# Altium PCB Virtex.PcbDoc (part 1 of 2)
Units mil, origin at the board's own origin, x right, y up, seen from the top; angles counter-clockwise.
Board outline 4513.94 x 3376.83 mil, 6 copper layers (Top Layer, Int1, Int2 (Flex), Int3 (Flex), Int4, Bottom Layer), stack 61.781 mil thick; 353 components, 187 nets, 1155 pads, 19 vias.
Unrouted connection lines stored in the file: 819.
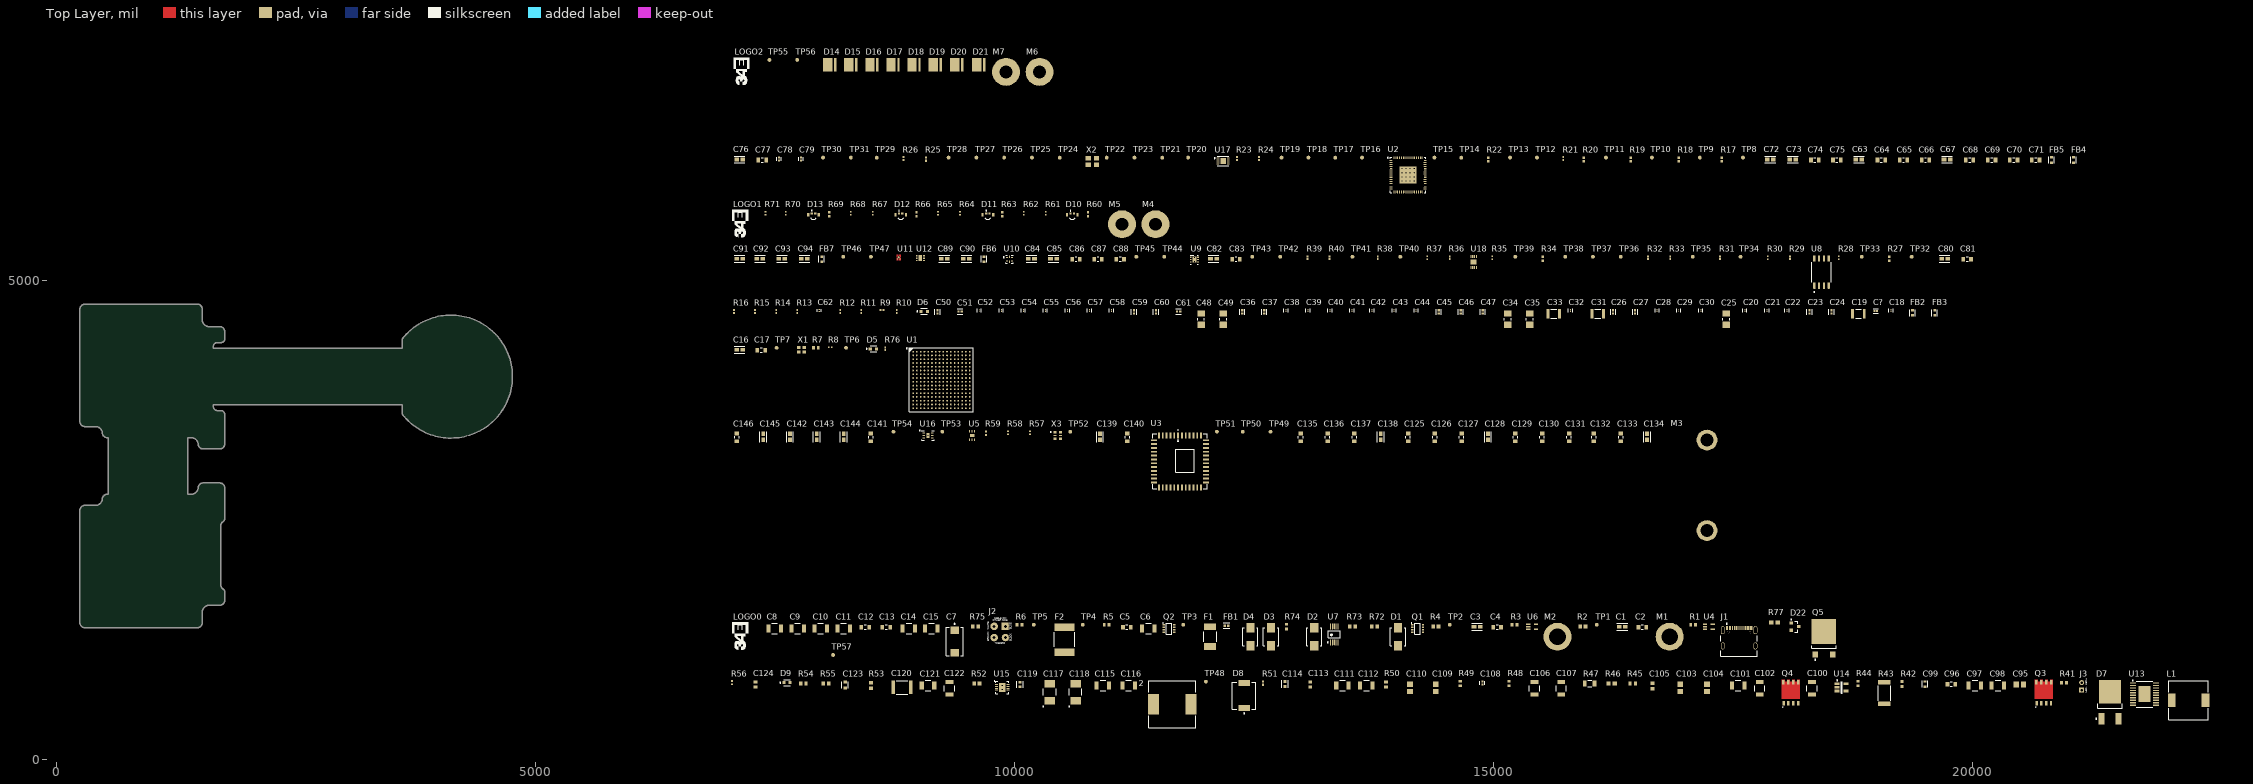
[diagram p0: Top Layer view]
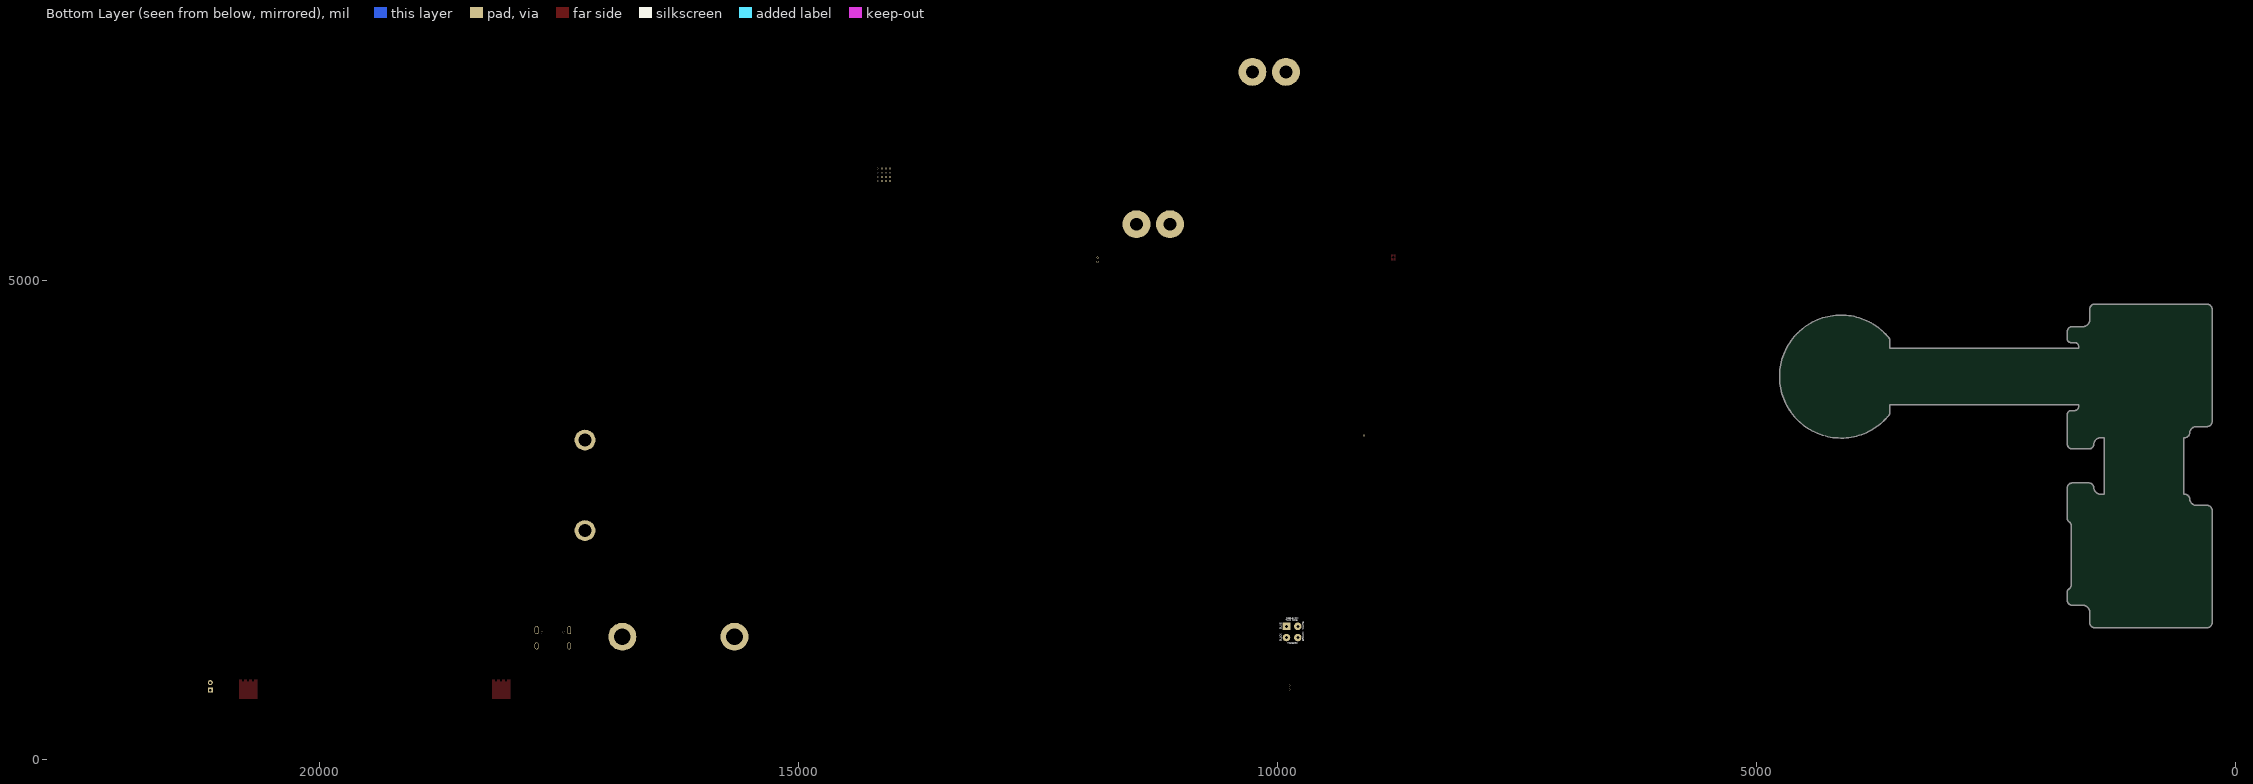
[diagram p1: Bottom Layer view, seen from below]

## Layer stack, top to bottom
Top Solder: solder mask 0.7874, SM-001, Dk 4
Top Layer: signal copper 1.378
FR-4 Top: core 23.622, PP-006, Dk 4.29
Int1: signal copper 1.378
Prepreg Top: prepreg 2.8, PP-006, Dk 4.29
Int2 (Flex): signal copper 0.7087
Adhesive Top: prepreg 0.5118, PP-006, Dk 3.3
Polymide Core: core 0.9843, Core-009, Dk 3.3
Adhesive Bottom: prepreg 0.5118, PP-006, Dk 3.3
Int3 (Flex): signal copper 0.7087
Prepreg Bottom: prepreg 2.8, PP-006, Dk 4.29
Int4: signal copper 1.378
FR-4 Bottom: core 23.622, PP-006, Dk 4.29
Bottom Layer: signal copper 1.378
Bottom Solder: solder mask 0.7874, SM-001, Dk 4

## Board outline
3606.02,3704.72 3606.02,3624.93 ccw(c3645.39,3624.93) 3614.58,3600.41 ccw(c4116.73,4000) 3614.58,4399.59 ccw(c3645.4,4375.07) 3606.02,4375.07 3606.02,4295.28 1637.52,4295.28 1637.52,4314.96 cw(c1676.88,4314.96) 1676.88,4354.33 1716.25,4354.33 ccw(c1716.26,4393.7) 1755.63,4393.7 1755.63,4468.75 ccw(c1703.12,4468.75) 1703.13,4521.25 1593.75,4521.25 cw(c1593.75,4593.75) 1521.25,4593.75 1521.25,4703.12 ccw(c1468.75,4703.12) 1468.75,4755.63 296.87,4755.63 ccw(c296.87,4703.12) 244.37,4703.12 244.37,3531.25 ccw(c296.87,3531.25) 296.88,3478.75 406.25,3478.75 cw(c406.25,3406.25) 478.57,3411.32 ccw(c530.94,3414.99) 530.94,3362.48 541.25,3362.48 541.25,2771.94 530.94,2771.93 ccw(c530.94,2719.43) 478.57,2723.1 cw(c406.25,2728.17) 406.25,2655.67 296.88,2655.67 ccw(c296.87,2603.17) 244.37,2603.17 244.37,1431.29 ccw(c296.87,1431.29) 296.88,1378.79 1468.75,1378.79 ccw(c1468.75,1431.29) 1521.25,1431.29 1521.25,1540.67 cw(c1593.75,1540.67) 1593.75,1613.17 1703.12,1613.17 ccw(c1703.13,1665.67) 1755.63,1665.67 1755.63,1751.27 ccw(c1716.26,1751.27) 1735.94,1785.36 cw(c1755.63,1819.46) 1716.26,1819.46 1716.26,2449.38 cw(c1755.62,2449.38) 1735.94,2483.47 ccw(c1716.26,2517.57) 1755.63,2517.57 1755.63,2837.54 ccw(c1703.12,2837.54) 1703.13,2890.05 1531.06,2890.05 ccw(c1531.06,2837.54) 1478.64,2840.44 cw(c1406.25,2844.43) 1406.25,2771.94 1368.02,2771.94 1368.02,3362.48 1406.25,3362.48 cw(c1406.25,3289.99) 1478.64,3293.98 ccw(c1531.06,3296.87) 1531.06,3244.37 1703.12,3244.37 ccw(c1703.13,3296.87) 1755.63,3296.87 1755.63,3606.3 ccw(c1716.25,3606.3) 1716.26,3645.67 1676.88,3645.67 cw(c1676.88,3685.04) 1637.52,3685.04 1637.52,3704.72
board region "Default Layer Stack Region": 366 vertices, not listed, extent 244.38,1378.79 4758.46,4755.62
board region "Layer Stack Region 2": 3762.4,4000 3762.4,3982.59 3765.81,3947.95 3772.6,3913.8 3782.71,3880.49 3796.03,3848.32 3812.44,3817.62 3831.78,3788.67 3853.87,3761.76 3878.49,3737.14 3905.4,3715.06 3934.35,3695.71 3965.05,3679.3 3997.21,3665.98 4030.53,3655.87 4064.68,3649.08 4099.32,3645.67 4116.73,3645.67 4134.14,3645.67 4168.78,3649.08 4202.93,3655.87 4236.24,3665.98 4268.41,3679.3 4299.11,3695.71 4328.06,3715.06 4354.97,3737.14 4379.59,3761.76 4401.67,3788.67 4421.02,3817.62 4437.43,3848.32 4450.75,3880.49 4460.86,3913.8 4467.65,3947.95 4471.06,3982.59 4471.06,4000 4471.06,4017.41 4467.65,4052.05 4460.86,4086.2 4450.75,4119.51 4437.43,4151.68 4421.02,4182.38 4401.67,4211.33 4379.59,4238.24 4354.97,4262.86 4328.06,4284.94 4299.11,4304.29 4268.41,4320.7 4236.24,4334.02 4202.93,4344.13 4168.78,4350.92 4134.14,4354.33 4116.73,4354.33 4099.32,4354.33 4064.68,4350.92 4030.53,4344.13 3997.21,4334.02 3965.05,4320.7 3934.35,4304.29 3905.4,4284.94 3878.49,4262.86 3853.87,4238.24 3831.78,4211.33 3812.44,4182.38 3796.03,4151.68 3782.71,4119.51 3772.6,4086.2 3765.81,4052.05 3762.4,4017.41

## Design rules (kind name [scope] priority, off if disabled: settings)
Clearance [All] p1: gap=10 ignorepadtopadclearanceinfootprint=FALSE except(0: Arc-Hole Track-Hole SMDPad-Hole THPad-Hole Via-Hole Fill-Hole Poly-Hole Region-Hole Text-Hole)
DiffPairsRouting [All] p1: maxlimit=10 minlimit=10 mostfreqgap=10 toplayer_minwidth=15 toplayer_maxwidth=15 toplayer_prefwidth=15 midlayer1_minwidth=15 midlayer1_maxwidth=15 midlayer1_prefwidth=15 midlayer2_minwidth=15 midlayer2_maxwidth=15 midlayer2_prefwidth=15 midlayer3_minwidth=15 midlayer3_maxwidth=15 midlayer3_prefwidth=15 midlayer4_minwidth=15 midlayer4_maxwidth=15 midlayer4_prefwidth=15 bottomlayer_minwidth=15 bottomlayer_maxwidth=15 bottomlayer_prefwidth=15 maxuncoupledlength=500
PolygonConnect [All] p1: connectstyle=Relief reliefconductorwidth=10 reliefentries=4 polygonreliefangle="90 Angle" airgapwidth=10
RoomDefinition BoardC [InComponentClass('BoardC')] p1: confinementstyle=ConfineIn formatcopy=TRUE lockcomponents=FALSE outline 7035,7025 10390,7025 10390,7435 7035,7435
RoomDefinition BoardB-USB [InComponentClass('BoardB-USB')] p2: confinementstyle=ConfineIn formatcopy=TRUE lockcomponents=FALSE outline 7045,5895 21205,5895 21205,6415 7045,6415
RoomDefinition BoardB-LEDs [InComponentClass('BoardB-LEDs')] p3: confinementstyle=ConfineIn formatcopy=TRUE lockcomponents=FALSE outline 7045,5435 11625,5435 11625,5845 7045,5845
RoomDefinition BoardB-FPGA [InComponentClass('BoardB-FPGA')] p4: confinementstyle=ConfineIn formatcopy=TRUE lockcomponents=FALSE outline 7045,3600 9600,3600 9600,4430 7045,4430
RoomDefinition BoardB-FPGA3 [InComponentClass('BoardB-FPGA3')] p5: confinementstyle=ConfineIn formatcopy=TRUE lockcomponents=FALSE outline 7045,4870 20030,4870 20030,5380 7045,5380
RoomDefinition BoardB-FPGA2 [InComponentClass('BoardB-FPGA2')] p6: confinementstyle=ConfineIn formatcopy=TRUE lockcomponents=FALSE outline 7045,4480 19755,4480 19755,4820 7045,4820
RoomDefinition BoardB-Camera [InComponentClass('BoardB-Camera')] p7: confinementstyle=ConfineIn formatcopy=TRUE lockcomponents=FALSE outline 7045,2275 17630,2275 17630,3555 7045,3555
RoomDefinition BoardA-Power [InComponentClass('BoardA-Power')] p8: confinementstyle=ConfineIn formatcopy=TRUE lockcomponents=FALSE outline 7025,316.22 22495,316.22 22495,946.22 7025,946.22
RoomDefinition BoardA-Connectors [InComponentClass('BoardA-Connectors')] p9: confinementstyle=ConfineIn formatcopy=TRUE lockcomponents=FALSE outline 7045,1020 18730,1020 18730,1605 7045,1605
RoutingVias [All] p1: holewidth=28 width=50 viastyle="Through Hole" minholewidth=28 minwidth=50 maxholewidth=28 maxwidth=50
SignalStimulus "Schematic Signal Stimulus_5" [InDifferentialPairClass('CAM_CLK_OUT')] p1: kind=1 level=1 starttime=0.000 stoptime=1.389n periodtime=2.778n
SignalStimulus "Schematic Signal Stimulus_4" [InDifferentialPairClass('CAM_DOUT1')] p2: kind=1 level=1 starttime=0.000 stoptime=1.389n periodtime=2.778n
SignalStimulus "Schematic Signal Stimulus_3" [InDifferentialPairClass('CAM_DOUT0')] p3: kind=1 level=1 starttime=0.000 stoptime=1.389n periodtime=2.778n
SignalStimulus "Schematic Signal Stimulus_2" [InDifferentialPairClass('CAM_DOUT3')] p4: kind=1 level=1 starttime=0.000 stoptime=1.389n periodtime=2.778n
SignalStimulus "Schematic Signal Stimulus_1" [InDifferentialPairClass('CAM_DOUT2')] p5: kind=1 level=1 starttime=0.000 stoptime=1.389n periodtime=2.778n
SignalStimulus "Schematic Signal Stimulus" [InDifferentialPairClass('CAM_SYNC')] p6: kind=1 level=1 starttime=0.000 stoptime=1.389n periodtime=2.778n
SolderMaskExpansion [All] p1: expansion=4 istentingtop=FALSE
Width [All] p1: maxlimit=10 minlimit=10 preferedwidth=10
29 further rules are at their usual default settings.

## Classes and differential pairs
differential pair class USB: USB
differential pair class CAM_SYNC: CAM_SYNC
differential pair class CAM_DOUT3: CAM_DOUT3
differential pair class CAM_DOUT2: CAM_DOUT2
differential pair class CAM_DOUT1: CAM_DOUT1
differential pair class CAM_DOUT0: CAM_DOUT0
differential pair class CAM_CLKIN: CAM_CLKIN
differential pair class CAM_CLK_OUT: CAM_CLK
component class BoardC: D14 D15 D16 D17 D18 D19 D20 D21 LOGO2 M6 M7 TP55 TP56
component class BoardB-USB: C63 C64 C65 C66 C67 C68 C69 C70 C71 C72 C73 C74 C75 C76 C77 C78 C79 FB4 FB5 R17 R18 R19 R20 R21 R22 R23 R24 R25 R26 TP8 TP9 TP10 TP11 TP12 TP13 TP14 TP15 TP16 TP17 TP18 TP19 TP20 TP21 TP22 TP23 TP24 TP25 TP26 TP27 TP28 TP29 TP30 TP31 U2 U17 X2
component class BoardB-LEDs: D10 D11 D12 D13 LOGO1 M4 M5 R60 R61 R62 R63 R64 R65 R66 R67 R68 R69 R70 R71
component class BoardB-FPGA: C16 C17 D5 R7 R8 R76 TP6 TP7 U1 X1
component class BoardB-FPGA3: C80 C81 C82 C83 C84 C85 C86 C87 C88 C89 C90 C91 C92 C93 C94 FB6 FB7 R27 R28 R29 R30 R31 R32 R33 R34 R35 R36 R37 R38 R39 R40 TP32 TP33 TP34 TP35 TP36 TP37 TP38 TP39 TP40 TP41 TP42 TP43 TP44 TP45 TP46 TP47 U8 U9 U10 U11 U12 U18
component class BoardB-FPGA2: C18 C19 C20 C21 C22 C23 C24 C25 C26 C27 C28 C29 C30 C31 C32 C33 C34 C35 C36 C37 C38 C39 C40 C41 C42 C43 C44 C45 C46 C47 C48 C49 C50 C51 C52 C53 C54 C55 C56 C57 C58 C59 C60 C61 C62 C? D6 FB2 FB3 R9 R10 R11 R12 R13 R14 R15 R16
component class BoardB-Camera: C125 C126 C127 C128 C129 C130 C131 C132 C133 C134 C135 C136 C137 C138 C139 C140 C141 C142 C143 C144 C145 C146 M3 R57 R58 R59 TP49 TP50 TP51 TP52 TP53 TP54 U3 U5 U16 X3
component class BoardA-Power: 2 C95 C96 C97 C98 C99 C100 C101 C102 C103 C104 C105 C106 C107 C108 C109 C110 C111 C112 C113 C114 C115 C116 C117 C118 C119 C120 C121 C122 C123 C124 D7 D8 D9 J3 L1 Q3 Q4 R41 R42 R43 R44 R45 R46 R47 R48 R49 R50 R51 R52 R53 R54 R55 R56 TP48 U13 U14 U15
component class BoardA-Connectors: C1 C2 C3 C4 C5 C6 C7 C8 C9 C10 C11 C12 C13 C14 C15 D1 D2 D3 D4 D22 F1 F2 FB1 J1 J2 LOGO0 M1 M2 Q1 Q2 Q5 R1 R2 R3 R4 R5 R6 R72 R73 R74 R75 R77 TP1 TP2 TP3 TP4 TP5 TP57 U4 U6 U7
differential pair USB: +USB_P -USB_N
differential pair CAM_SYNC: +CAM_SYNC_P -CAM_SYNC_N
differential pair CAM_DOUT3: +CAM_DOUT3_P -CAM_DOUT3_N
differential pair CAM_DOUT2: +CAM_DOUT2_P -CAM_DOUT2_N
differential pair CAM_DOUT1: +CAM_DOUT1_P -CAM_DOUT1_N
differential pair CAM_DOUT0: +CAM_DOUT0_P -CAM_DOUT0_N
differential pair CAM_CLK: +CAM_CLK_P -CAM_CLK_N
differential pair CAM_CLKIN: +CAM_CLKIN_P -CAM_CLKIN_N

## Components (designator, comment, footprint, x,y, rotation, side; value= is the part's Value field where it differs from the comment)
2 "744770115" WE-PD-XL 11645,581.22 r0 top (schematic designator L2)
C1 "10uF" FP-GRM188-0_1-e0_2_0_55-IPC_A 16340,1390 r0 top
C2 "100nF" FP-CGA3E-0_3-0_1-IPC_A 16550,1385 r0 top
C3 "10uF" FP-GRM188-0_1-e0_2_0_55-IPC_A 14825,1390 r0 top
C4 "100nF" FP-CGA3E-0_3-0_1-IPC_A 15035,1385 r0 top
C5 "100nF" FP-CGA3E-0_3-0_1-IPC_A 11170,1385 r0 top
C6 "10uF" FP-C3225-250-0_4-MFG 11395,1370 r0 top
C7 "100uF" FP-T491X107K025AT-MFG 9375,1235 r90 top
C8 "10uF" FP-C3225-250-0_4-MFG 7495,1370 r0 top
C9 "10uF" FP-C3225-250-0_4-MFG 7735,1370 r0 top
C10 "10uF" FP-C3225-250-0_4-MFG 7975,1370 r0 top
C11 "10uF" FP-C3225-250-0_4-MFG 8215,1370 r0 top
C12 "100nF" FP-CGA3E-0_3-0_1-IPC_A 8440,1385 r0 top
C13 "100nF" FP-CGA3E-0_3-0_1-IPC_A 8660,1385 r0 top
C14 "10uF" FP-C3225-250-0_4-MFG 8895,1370 r0 top
C15 "10uF" FP-C3225-250-0_4-MFG 9130,1370 r0 top
C16 "10uF" FP-GRM188-0_1-e0_2_0_55-IPC_A 7130,4280 r0 top
C17 "100nF" FP-CGA3E-0_3-0_1-IPC_A 7355,4275 r0 top
C18 "0.47uF" FP-GRM033-0_03-IPC_C 19145,4690 r90 top
C19 "47uF" MURA-1210_H_2.7_L 18805,4655 r0 top
C20 "0.47uF" FP-GRM033-0_03-IPC_C 17620,4690 r90 top
C21 "0.47uF" FP-GRM033-0_03-IPC_C 17850,4690 r90 top
C22 "0.47uF" FP-GRM033-0_03-IPC_C 18060,4690 r90 top
C23 "4.7uF" FP-GRM155-0_1-IPC_B 18295,4675 r90 top
C24 "4.7uF" FP-GRM155-0_1-IPC_B 18525,4675 r90 top
C25 "100uF" CAPC3216X190X55ML30T25 17425,4600 r90 top
C26 "4.7uF" FP-GRM155-0_1-IPC_B 16245,4675 r90 top
C27 "4.7uF" FP-GRM155-0_1-IPC_B 16475,4675 r90 top
C28 "0.47uF" FP-GRM033-0_03-IPC_C 16705,4690 r90 top
C29 "0.47uF" FP-GRM033-0_03-IPC_C 16930,4690 r90 top
C30 "0.47uF" FP-GRM033-0_03-IPC_C 17160,4690 r90 top
C31 "47uF" MURA-1210_H_2.7_L 16085,4655 r0 top
C32 "0.47uF" FP-GRM033-0_03-IPC_C 15800,4690 r90 top
C33 "47uF" MURA-1210_H_2.7_L 15625,4655 r0 top
C34 "100uF" CAPC3216X190X55ML30T25 15145,4600 r90 top
C35 "100uF" CAPC3216X190X55ML30T25 15375,4600 r90 top
C36 "4.7uF" FP-GRM155-0_1-IPC_B 12375,4675 r90 top
C37 "4.7uF" FP-GRM155-0_1-IPC_B 12605,4675 r90 top
C38 "0.47uF" FP-GRM033-0_03-IPC_C 12830,4690 r90 top
C39 "0.47uF" FP-GRM033-0_03-IPC_C 13060,4690 r90 top
C40 "0.47uF" FP-GRM033-0_03-IPC_C 13290,4690 r90 top
C41 "0.47uF" FP-GRM033-0_03-IPC_C 13520,4690 r90 top
C42 "0.47uF" FP-GRM033-0_03-IPC_C 13730,4690 r90 top
C43 "0.47uF" FP-GRM033-0_03-IPC_C 13960,4690 r90 top
C44 "0.47uF" FP-GRM033-0_03-IPC_C 14190,4690 r90 top
C45 "4.7uF" FP-GRM155-0_1-IPC_B 14425,4675 r90 top
C46 "4.7uF" FP-GRM155-0_1-IPC_B 14655,4675 r90 top
C47 "4.7uF" FP-GRM155-0_1-IPC_B 14885,4675 r90 top
C48 "100uF" CAPC3216X190X55ML30T25 11945,4600 r90 top
C49 "100uF" CAPC3216X190X55ML30T25 12175,4600 r90 top
C50 "4.7uF" FP-GRM155-0_1-IPC_B 9195,4675 r90 top
C51 "4.7uF" FP-GRM155-0_1-IPC_B 9430,4680 r0 top
C52 "0.47uF" FP-GRM033-0_03-IPC_C 9630,4690 r90 top
C53 "0.47uF" FP-GRM033-0_03-IPC_C 9860,4690 r90 top
C54 "0.47uF" FP-GRM033-0_03-IPC_C 10090,4690 r90 top
C55 "0.47uF" FP-GRM033-0_03-IPC_C 10320,4690 r90 top
C56 "0.47uF" FP-GRM033-0_03-IPC_C 10550,4690 r90 top
C57 "0.47uF" FP-GRM033-0_03-IPC_C 10780,4690 r90 top
C58 "0.47uF" FP-GRM033-0_03-IPC_C 11010,4690 r90 top
C59 "4.7uF" FP-GRM155-0_1-IPC_B 11245,4675 r90 top
C60 "4.7uF" FP-GRM155-0_1-IPC_B 11475,4675 r90 top
C61 "4.7uF" FP-GRM155-0_1-IPC_B 11710,4680 r0 top
C62 "10nF" FP-CC0201-BA-MFG 7960,4690 r90 top value="10 nF"
C63 "10uF" FP-GRM188-0_1-e0_2_0_55-IPC_A 18810,6265 r0 top
C64 "100nF" FP-CGA3E-0_3-0_1-IPC_A 19045,6260 r0 top
C65 "100nF" FP-CGA3E-0_3-0_1-IPC_A 19275,6260 r0 top
C66 "100nF" FP-CGA3E-0_3-0_1-IPC_A 19505,6260 r0 top
C67 "10uF" FP-GRM188-0_1-e0_2_0_55-IPC_A 19730,6265 r0 top
C68 "100nF" FP-CGA3E-0_3-0_1-IPC_A 19965,6260 r0 top
C69 "100nF" FP-CGA3E-0_3-0_1-IPC_A 20195,6260 r0 top
C70 "100nF" FP-CGA3E-0_3-0_1-IPC_A 20425,6260 r0 top
C71 "100nF" FP-CGA3E-0_3-0_1-IPC_A 20655,6260 r0 top
C72 "10uF" FP-GRM188-0_1-e0_2_0_55-IPC_A 17885,6265 r0 top
C73 "10uF" FP-GRM188-0_1-e0_2_0_55-IPC_A 18120,6265 r0 top
C74 "100nF" FP-CGA3E-0_3-0_1-IPC_A 18350,6260 r0 top
C75 "100nF" FP-CGA3E-0_3-0_1-IPC_A 18580,6260 r0 top
C76 "10uF" FP-GRM188-0_1-e0_2_0_55-IPC_A 7130,6265 r0 top
C77 "100nF" FP-CGA3E-0_3-0_1-IPC_A 7365,6260 r0 top
C78 "27pF" FP-C0402-BB-MFG 7540,6270 r90 top value="27 pF"
C79 "27pF" FP-C0402-BB-MFG 7770,6270 r90 top value="27 pF"
C80 "10uF" FP-GRM188-0_1-e0_2_0_55-IPC_A 19705,5230 r0 top
C81 "100nF" FP-CGA3E-0_3-0_1-IPC_A 19940,5225 r0 top
C82 "10uF" FP-GRM188-0_1-e0_2_0_55-IPC_A 12075,5230 r0 top
C83 "100nF" FP-CGA3E-0_3-0_1-IPC_A 12310,5225 r0 top
C84 "10uF" FP-GRM188-0_1-e0_2_0_55-IPC_A 10175,5230 r0 top
C85 "10uF" FP-GRM188-0_1-e0_2_0_55-IPC_A 10405,5230 r0 top
C86 "100nF" FP-CGA3E-0_3-0_1-IPC_A 10640,5225 r0 top
C87 "100nF" FP-CGA3E-0_3-0_1-IPC_A 10870,5225 r0 top
C88 "100nF" FP-CGA3E-0_3-0_1-IPC_A 11100,5225 r0 top
C89 "10uF" FP-GRM188-0_1-e0_2_0_55-IPC_A 9265,5230 r0 top
C90 "10uF" FP-GRM188-0_1-e0_2_0_55-IPC_A 9495,5230 r0 top
C91 "10uF" FP-GRM188-0_1-e0_2_0_55-IPC_A 7130,5230 r0 top
C92 "10uF" FP-GRM188-0_1-e0_2_0_55-IPC_A 7340,5230 r0 top
C93 "10uF" FP-GRM188-0_1-e0_2_0_55-IPC_A 7570,5230 r0 top
C94 "10uF" FP-GRM188-0_1-e0_2_0_55-IPC_A 7805,5230 r0 top
C95 "0.1uF" CAPC2013X135X45ML10T25 20490,786.22 r0 top
C96 "100nF" FP-CGA3E-0_3-0_1-IPC_A 19775,791.22 r0 top
C97 "10uF" FP-C3225-250-0_4-MFG 20020,776.22 r0 top
C98 "10uF" FP-C3225-250-0_4-MFG 20260,776.22 r0 top
C99 "2.7nF" FP-GCM188-0_1-MFG 19500,791.22 r90 top
C100 "10uF" FP-GRM32-MFG 18320,746.22 r90 top
C101 "10uF" FP-GRM32-MFG 17550,776.22 r0 top
C102 "10uF DNP" FP-GRM32-MFG 17775,746.22 r90 top value=10uF
C103 "0.1uF" CAPC2013X135X45ML10T25 16945,751.22 r90 top
C104 "0.1uF" CAPC2013X135X45ML10T25 17225,751.22 r90 top
C105 "10nF" CAPC1608X90X35ML10T15 16655,771.22 r90 top
C106 "10uF" FP-GRM32-MFG 15425,746.22 r90 top
C107 "10uF DNP" FP-GRM32-MFG 15705,746.22 r90 top value=10uF
C108 "100pF" FP-C0402-BB-MFG 14880,801.22 r90 top value="100 pF"
C109 "0.1uF" CAPC2013X135X45ML10T25 14395,751.22 r90 top
C110 "0.1uF" CAPC2013X135X45ML10T25 14125,751.22 r90 top
C111 "10uF" FP-GRM32-MFG 13420,776.22 r0 top
C112 "10uF" FP-GRM32-MFG 13670,776.22 r0 top
C113 "1nF" CAPC1608X90X35NL10T15 13085,786.22 r90 top
C114 "0.22uF" FP-GRM188-0_1-e0_2_0_5-IPC_C 12820,791.22 r90 top
C115 "10uF" FP-C3225-250-0_4-MFG 10920,776.22 r0 top
C116 "10uF" FP-C3225-250-0_4-MFG 11190,776.22 r0 top
C117 "100uF" CAPMP6032X28-T_V 10365,706.22 r90 top
C118 "100uF" CAPMP6032X28-T_V 10635,706.22 r90 top
C119 "12nF" FP-C0603C-CF-MFG 10055,786.22 r90 top value="12,000 pF"
C120 "22uF" FP-C4532-250-0_4-IPC_B 8825,756.22 r0 top
C121 "10uF" FP-C3225-250-0_4-MFG 9095,776.22 r0 top
C122 "10uF" FP-C3225-250-0_4-MFG 9320,746.22 r90 top
C123 "330pF" FP-CC0603-DA-MFG 8230,781.22 r90 top value="330 pF"
C124 "27nF" CAPC1608X90X35NL10T15 7295,786.22 r90 top
C125 "100nF" FP-CGA3E-0_3-0_1-IPC_A 14105,3365 r90 top
C126 "100nF" FP-CGA3E-0_3-0_1-IPC_A 14385,3365 r90 top
C127 "100nF" FP-CGA3E-0_3-0_1-IPC_A 14665,3365 r90 top
C128 "10uF" FP-GRM188-0_1-e0_2_0_55-IPC_A 14940,3370 r90 top
C129 "100nF" FP-CGA3E-0_3-0_1-IPC_A 15225,3365 r90 top
C130 "100nF" FP-CGA3E-0_3-0_1-IPC_A 15505,3365 r90 top
C131 "100nF" FP-CGA3E-0_3-0_1-IPC_A 15785,3365 r90 top
C132 "100nF" FP-CGA3E-0_3-0_1-IPC_A 16045,3365 r90 top
C133 "100nF" FP-CGA3E-0_3-0_1-IPC_A 16325,3365 r90 top
C134 "10uF" FP-GRM188-0_1-e0_2_0_55-IPC_A 16600,3370 r90 top
C135 "100nF" FP-CGA3E-0_3-0_1-IPC_A 12985,3365 r90 top
C136 "100nF" FP-CGA3E-0_3-0_1-IPC_A 13265,3365 r90 top
C137 "100nF" FP-CGA3E-0_3-0_1-IPC_A 13545,3365 r90 top
C138 "10uF" FP-GRM188-0_1-e0_2_0_55-IPC_A 13820,3370 r90 top
C139 "10uF" FP-GRM188-0_1-e0_2_0_55-IPC_A 10890,3370 r90 top
C140 "100nF" FP-CGA3E-0_3-0_1-IPC_A 11175,3365 r90 top
C141 "100nF" FP-CGA3E-0_3-0_1-IPC_A 8500,3365 r90 top
C142 "10uF" FP-GRM188-0_1-e0_2_0_55-IPC_A 7655,3370 r90 top
C143 "10uF" FP-GRM188-0_1-e0_2_0_55-IPC_A 7935,3370 r90 top
C144 "10uF" FP-GRM188-0_1-e0_2_0_55-IPC_A 8215,3370 r90 top
C145 "10uF" FP-GRM188-0_1-e0_2_0_55-IPC_A 7375,3370 r90 top
C146 "100nF" FP-CGA3E-0_3-0_1-IPC_A 7100,3365 r90 top
C? "10nF" FP-GRM033-0_03-IPC_A 18985,4685 r0 top
D1 "SMBJ40CA" FAIR-DO-214AA-A-2_V 14000,1285 r90 top
D2 "SMBJ40CA" FAIR-DO-214AA-A-2_V 13125,1285 r90 top
D3 "SMBJ40CA" FAIR-DO-214AA-A-2_V 12675,1285 r90 top
D4 "SMBJ40CA" FAIR-DO-214AA-A-2_V 12460,1285 r90 top
D5 "SML-D12U1WT86" FP-SML-D12-MFG 8525,4290 r0 top
D6 "SML-D12U1WT86" FP-SML-D12-MFG 9055,4680 r0 top
D7 "MBRD360T4G" ONSC-DPAK-3-369C-01_V 21430,601.22 r90 top
D8 "STPS5L60S" FP-STPS5L60S-MFG 12395,671.22 r90 top
D9 "SML-D12U1WT86" FP-SML-D12-MFG 7625,806.22 r0 top
D10 "IN-S126TASRGB" IN-S126TASRGB 10600,5690 r0 top
D11 "IN-S126TASRGB" IN-S126TASRGB 9720,5690 r0 top
D12 "IN-S126TASRGB" IN-S126TASRGB 8810,5690 r0 top
D13 "IN-S126TASRGB" IN-S126TASRGB 7900,5690 r0 top
D14 "BWIR-35C2O48" BWIR-35C2O48 8070,7255 r0 top
D15 "BWIR-35C2O48" BWIR-35C2O48 8290,7255 r0 top
D16 "BWIR-35C2O48" BWIR-35C2O48 8510,7255 r0 top
D17 "BWIR-35C2O48" BWIR-35C2O48 8730,7255 r0 top
D18 "BWIR-35C2O48" BWIR-35C2O48 8950,7255 r0 top
D19 "BWIR-35C2O48" BWIR-35C2O48 9170,7255 r0 top
D20 "BWIR-35C2O48" BWIR-35C2O48 9395,7255 r0 top
D21 "BWIR-35C2O48" BWIR-35C2O48 9625,7255 r0 top
D22 "BZX84C12LT1G" ONSC-SOT-23-3-318-08_V 18145,1390 r0 top
F1 "350mA" FP-1812L035-30DR-MFG 12040,1285 r90 top value=0.4-1.7Ω
F2 "2A" FP-2920L-MFG 10520,1255 r90 top value=0.05-0.125Ω
FB1 "BLM15AG100SN1D" FP-BLM15-0_05-IPC_A 12210,1400 r0 top
FB2 "BLM18AG601SN1D" FP-BLM18-0_15-t0_8-MFG 19370,4665 r90 top
FB3 "BLM18AG601SN1D" FP-BLM18-0_15-t0_8-MFG 19600,4665 r90 top
FB4 "BLM18AG601SN1D" FP-BLM18-0_15-t0_8-MFG 21050,6260 r90 top
FB5 "BLM18AG601SN1D" FP-BLM18-0_15-t0_8-MFG 20820,6260 r90 top
FB6 "BLM18AG601SN1D" FP-BLM18-0_15-t0_8-MFG 9680,5225 r90 top
FB7 "BLM18AG601SN1D" FP-BLM18-0_15-t0_8-MFG 7985,5225 r90 top
J1 "USB4105-GF-A" FP-USB4105-GF-A-MFG 17560,1235 r0 top
J2 "Lapp 7038890" "Lapp 7038890" 9845,1335 r0 top
J3 "LEDDriverOutput" LEDDriverOutput 21135,806.22 r0 top
L1 "7447714100" "WE-PD 1050" 22250,621.22 r0 top
LOGO0 "34 Engineering Logo" 34EngineeringLogo 7230,1135 r90 top
LOGO1 "34 Engineering Logo" 34EngineeringLogo 7230,5440 r90 top
LOGO2 "34 Engineering Logo" 34EngineeringLogo 7245,7030 r90 top
M1 "9774070960R" 9774070960R 16835,1285 r0 top
M2 "9774070960R" 9774070960R 15665,1285 r0 top
M3 "LENS" LENS_MNT 17225,2865 r0 top
M4 "MNT M3" "MNT M3" 11470,5590 r0 top
M5 "MNT M3" "MNT M3" 11120,5590 r0 top
M6 "MNT M3" "MNT M3" 10260,7180 r0 top
M7 "MNT M3" "MNT M3" 9910,7180 r0 top
Q1 "ECH8667-TL-H" ONSC-ECH-8_V 14205,1370 r0 top
Q2 "ECH8667-TL-H" ONSC-ECH-8_V 11610,1370 r0 top
Q3 "AON2260" INF-PG-TDSON-8-1_V 20740,701.22 r0 top
Q4 "AON2260" INF-PG-TDSON-8-1_V 18100,701.22 r0 top
Q5 "ATP101-TL-H" ONSC-ATPAK-3-369AM_V 18445,1340 r90 top
R1 "10k" RESC1609X55X30LL15T15 17080,1410 r0 top
R2 "5.1k" RESC1608X55X30ML20T20 15930,1390 r0 top
R3 "10k" RESC1609X55X30LL15T15 15215,1410 r0 top
R4 "5.1k" RESC1608X55X30ML20T20 14395,1390 r0 top
R5 "10k" RESC1609X55X30LL15T15 10960,1410 r0 top
R6 "10k" RESC1609X55X30LL15T15 10050,1410 r0 top
R7 "10k" RESC1609X55X30LL15T15 7925,4300 r0 top
R8 "220" RESC1005X40X25LL05T05 8075,4305 r0 top
R9 "220" RESC1005X40X25LL05T05 8615,4695 r0 top
R10 "100" RESC1005X40X25LL05T05 8770,4680 r90 top
R11 "4.7k" RESC1005X40X25LL05T05 8400,4680 r90 top